# Altium PCB Battery_Converter.PcbDoc (part 1 of 2)
Units mm, origin at the board's own origin, x right, y up, seen from the top; angles counter-clockwise.
Board outline 240.65 x 121.03 mm, 2 copper layers (Power Layer, Signal Layer), stack 0.532 mm thick; 177 components, 92 nets, 492 pads, 60 vias.
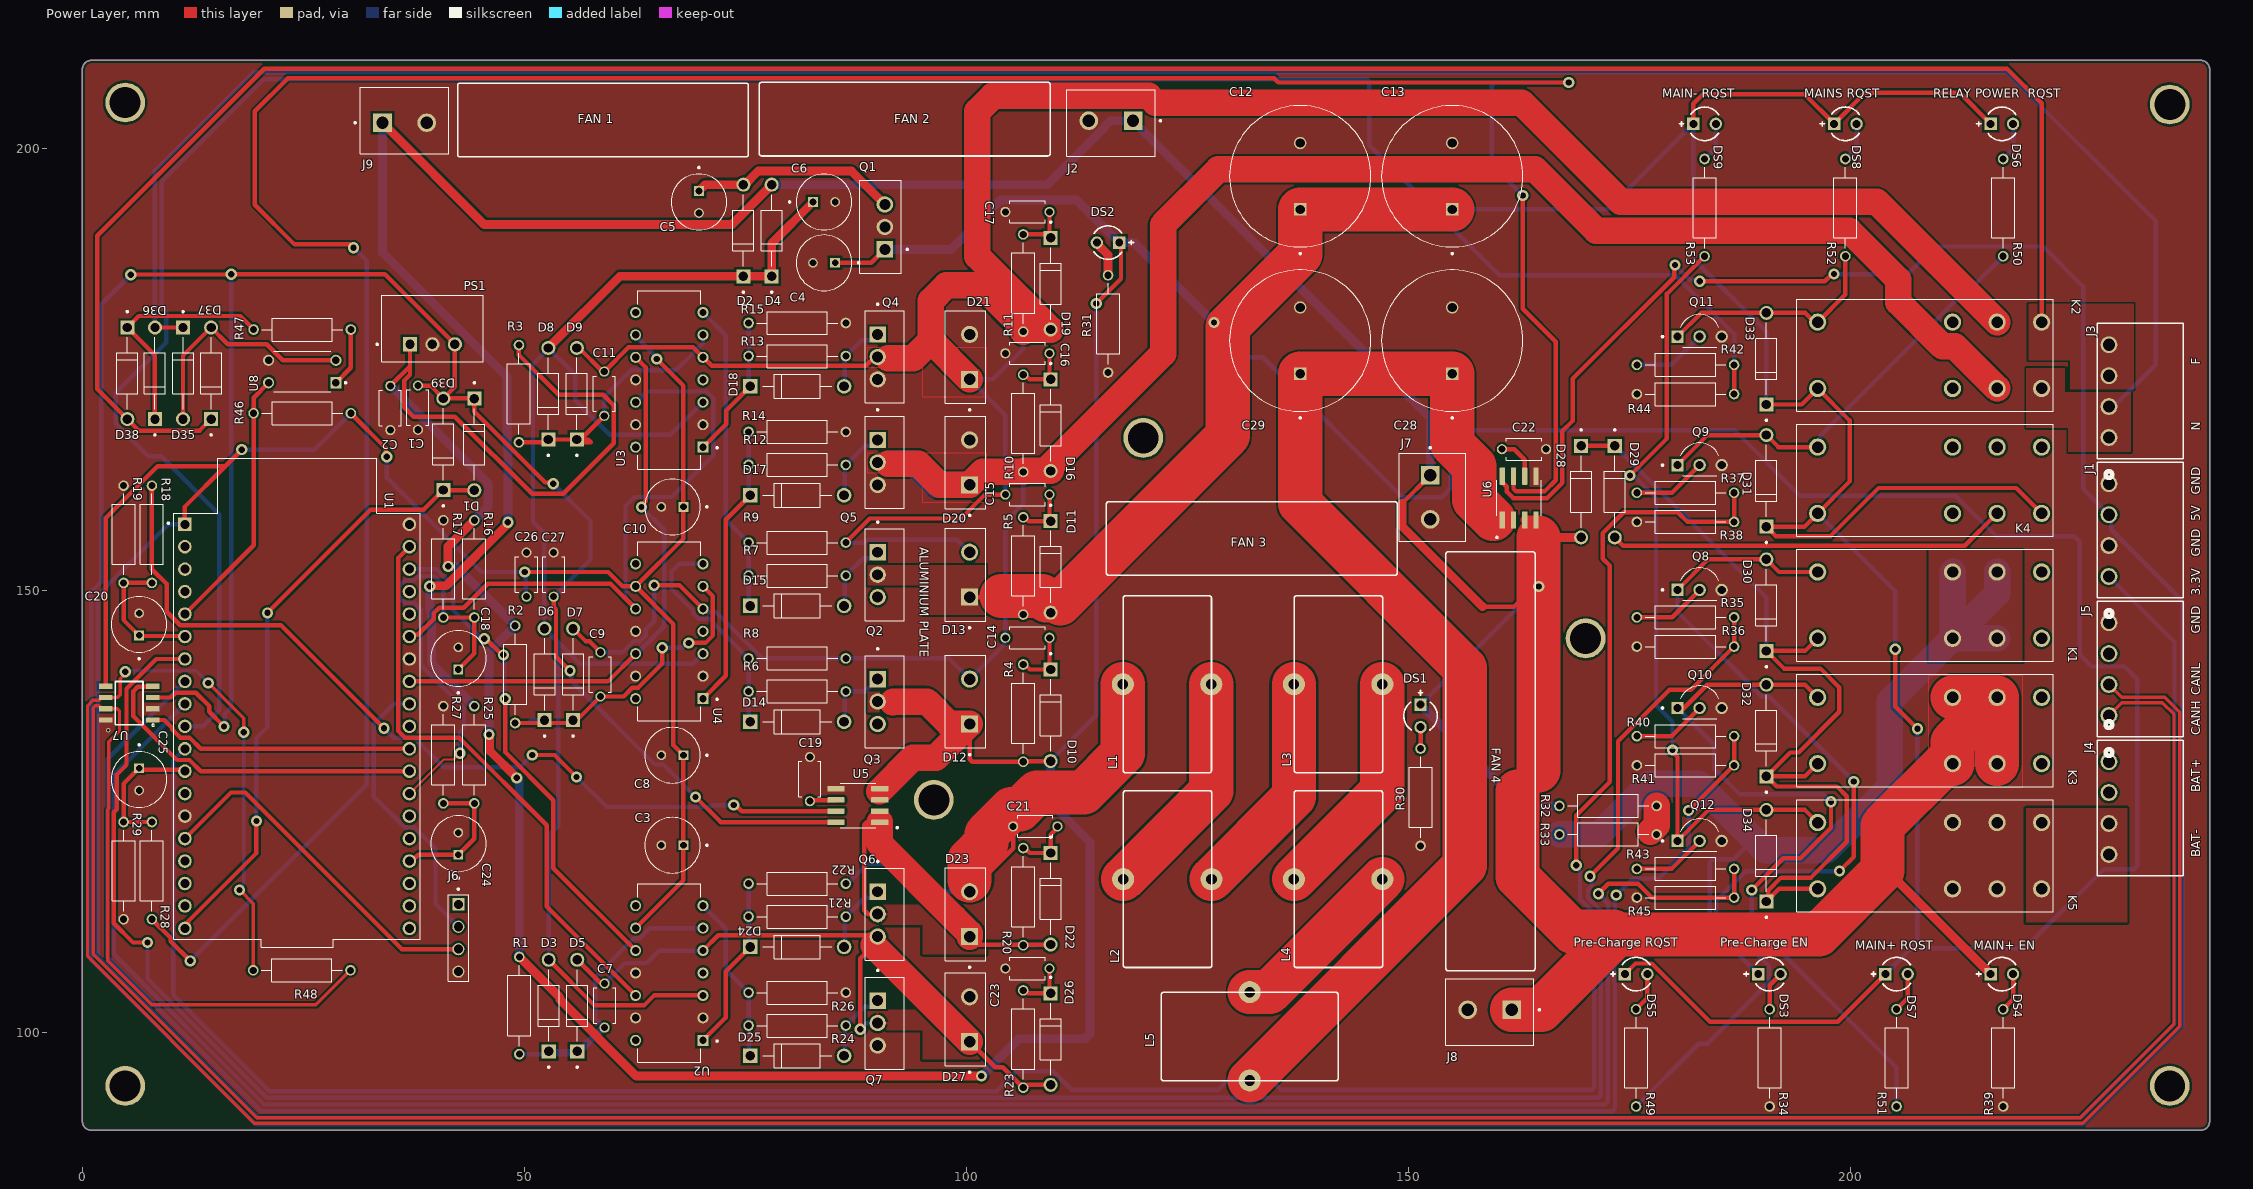
[diagram p0: Power Layer view]
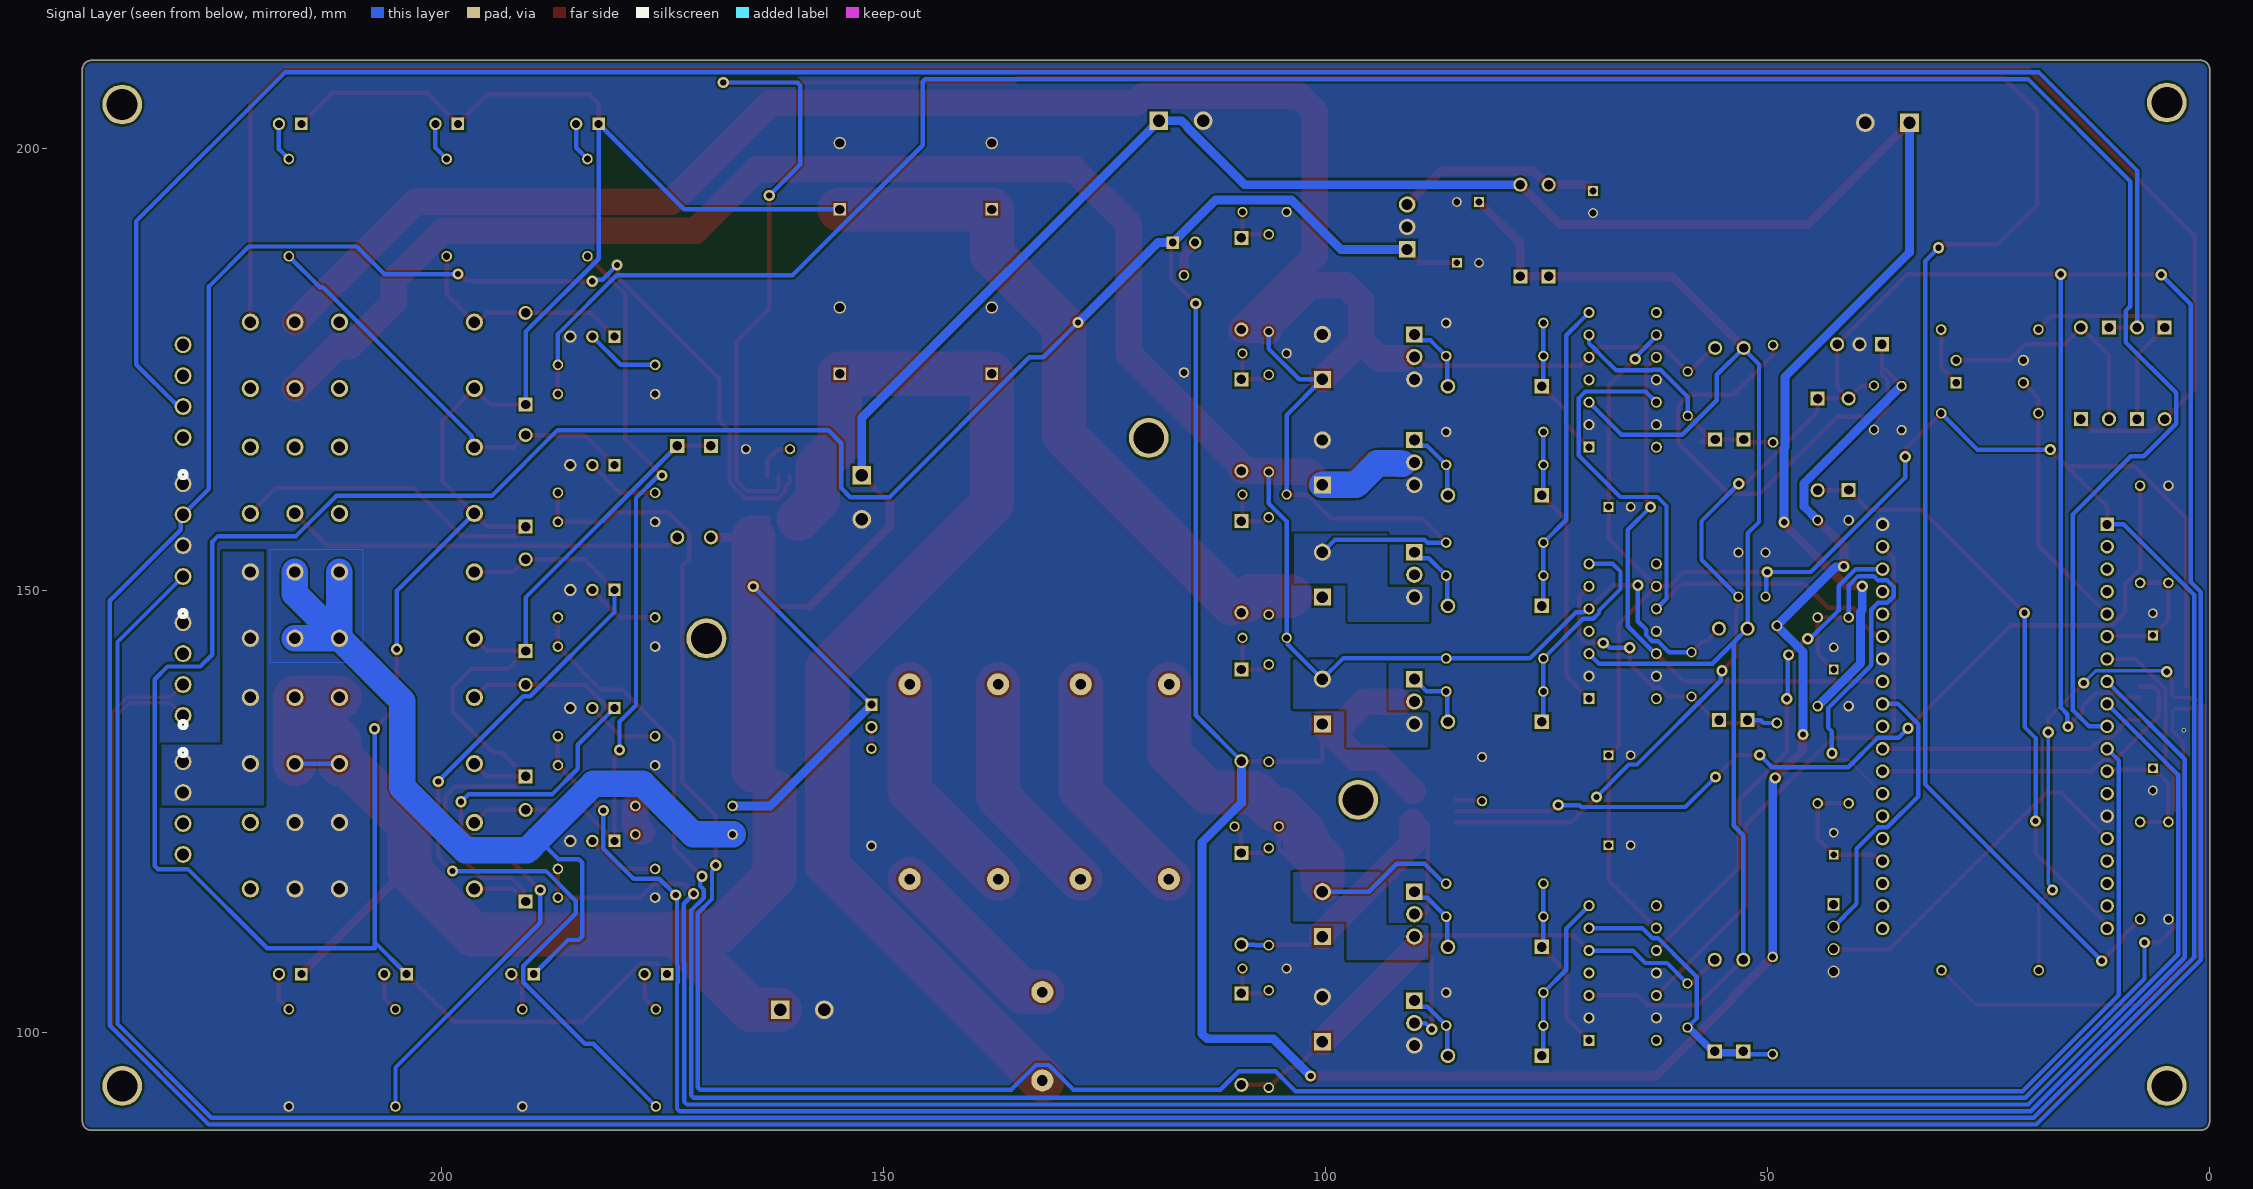
[diagram p1: Signal Layer view, seen from below]
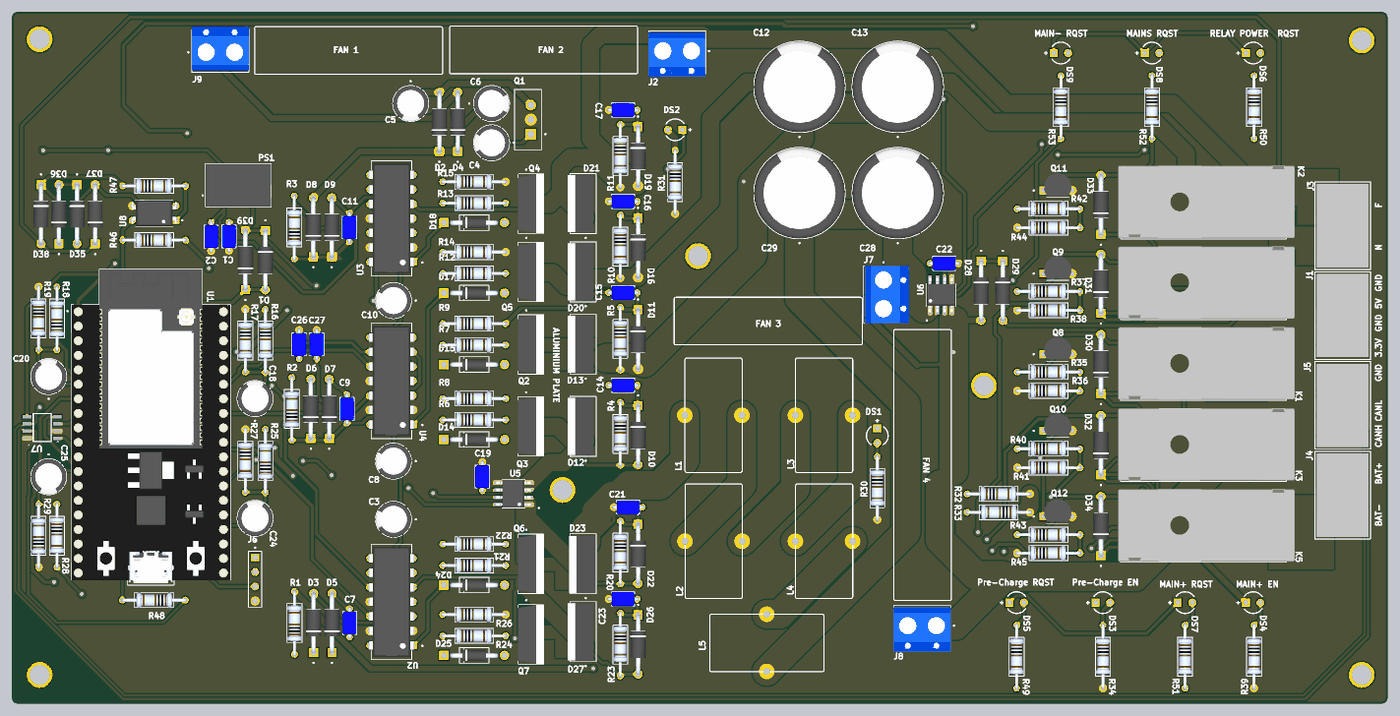
[diagram p3: 3D render of the assembled board from above, using the file's embedded part models]

## Layer stack, top to bottom
Top Solder: solder mask 0.0102, Solder Resist, Dk 3.5
Power Layer: signal copper 0.035
Dielectric 2: prepreg 0.0711, PP-006, Dk 4.1
Dielectric 1: dielectric 0.32, FR-4, Dk 4.8
Dielectric 3: prepreg 0.0711, PP-006, Dk 4.1
Signal Layer: signal copper 0.035
Bottom Solder: solder mask 0.0102, Solder Resist, Dk 3.5

## Board outline
0,89.891 0,208.922 cw(c1,208.922) 1,209.922 239.649,209.922 cw(c239.649,208.922) 240.649,208.922 240.649,89.891 cw(c239.649,89.891) 239.649,88.891 1,88.891 cw(c1,89.891)

## Design rules (kind name [scope] priority, off if disabled: settings)
Clearance [All] p1: gap=0.254 ignorepadtopadclearanceinfootprint=FALSE except(0: Arc-Hole Track-Hole SMDPad-Hole THPad-Hole Via-Hole Fill-Hole Poly-Hole Region-Hole Text-Hole)
DiffPairsRouting [All] p1: maxlimit=0.254 minlimit=0.254 mostfreqgap=0.254 toplayer_minwidth=0.381 toplayer_maxwidth=0.381 toplayer_prefwidth=0.381 bottomlayer_minwidth=0.381 bottomlayer_maxwidth=0.381 bottomlayer_prefwidth=0.381 maxuncoupledlength=12.7
Height [All] p1: minheight=0 maxheight=100 prefheight=12.7
HoleSize [All] p1: absolutevalues=TRUE maxlimit=6.3 minlimit=0.025 maxpercent=80.000 minpercent=20.000
PolygonConnect DirectPour_Battery [InNetClass('direct connect')] p1: connectstyle=Direct reliefconductorwidth=0.254 reliefentries=4 polygonreliefangle="90 Angle" airgapwidth=0.254
PolygonConnect [All] p2: connectstyle=Relief reliefconductorwidth=0.254 reliefentries=4 polygonreliefangle="90 Angle" airgapwidth=0.254
RoutingVias [All] p1: holewidth=0.711 width=1.27 viastyle="Through Hole" minholewidth=0.711 minwidth=1.27 maxholewidth=0.711 maxwidth=1.27
SolderMaskExpansion [All] p1: expansion=0.102 istentingtop=FALSE
Width [All] p1: maxlimit=5 minlimit=0.254 preferedwidth=0.5 minimp=50.000000 maximp=50.000000 favimp=50.000000
27 further rules are at their usual default settings.

## Classes and differential pairs
net class "direct connect": +12 +24 GND NetC9_1 NetC11_1 NetD35_1 NetD37_1 NetDS3_1 NetJ4_1 NetJ4_3
polygon class DirectConmnect: +12_L01_P003
component class Zero-Cross_Detection: D35 D36 D37 D38 R46 R47 U8
component class "Power Circuit": D28 D29 D30 D31 D32 D33 D34 DS3 DS4 DS5 DS6 DS7 DS8 DS9 K1 K2 K3 K4 K5 Q8 Q9 Q10 Q11 Q12 R32 R33 R34 R35 R36 R37 R38 R39 R40 R41 R42 R43 R44 R45 R49 R50 R51 R52 R53
component class IR2110: C3 C4 C5 C6 C7 C8 C9 C10 C11 D2 D3 D4 D5 D6 D7 D8 D9 Q1 R1 R2 R3 U2 U3 U4
component class ESP32: C1 C2 D1 D39 PS1 U1
component class Connectors: DS1 DS2 J1 J2 J3 J4 J5 J6 J7 J8 J9 R30 R31
component class Communication: C26 C27 IC1 R48 U7
component class Bi_Dir_Circuit: C12 C13 C14 C15 C16 C17 C18 C19 C20 C21 C22 C23 C24 C25 C28 C29 D10 D11 D12 D13 D14 D15 D16 D17 D18 D19 D20 D21 D22 D23 D24 D25 D26 D27 L1 L2 L3 L4 L5 Q2 Q3 Q4 Q5 Q6 Q7 R4 R5 R6 R7 R8 R9 R10 R11 R12 R13 R14 R15 R16 R17 R18 R19 R20 R21 R22 R23 R24 R25 R26 R27 R28 R29 U5 U6
differential pair CAN_1: +CAN_1_P -CAN_1_N

## Components (designator, comment, footprint, x,y, rotation, side; value= is the part's Value field where it differs from the comment)
C1 "Ceramic Capacitor" "Ceramic Capacitor" 37.96,170.637 r90 top
C2 "Ceramic Capacitor" "Ceramic Capacitor" 34.836,170.601 r90 top
C3 "10uF Cap" CAP_10uF 66.746,121.133 r180 top
C4 "10uF Cap" CAP_10uF 83.902,187.02 r180 top
C5 "10uF" CAP_10uF 69.748,193.904 r270 top
C6 "10uF Cap" CAP_10uF 83.902,193.904 r0 top
C7 "0.1uF" "Ceramic Capacitor" 59.08,102.997 r270 top
C8 "10uF Cap" CAP_10uF 66.746,131.318 r180 top
C9 "0.1uF" "Ceramic Capacitor" 58.607,140.462 r270 top
C10 "10uF Cap" CAP_10uF 66.746,159.41 r180 top
C11 "0.1uF" "Ceramic Capacitor" 59.039,172.212 r270 top
C12 "10uF Cap" 2200uF_Cap 137.77,196.815 r90 top
C13 "10uF Cap" 2200uF_Cap 154.965,196.815 r90 top
C14 "Ceramic Capacitor" "Ceramic Capacitor" 106.909,144.602 r0 top
C15 "Ceramic Capacitor" "Ceramic Capacitor" 106.909,160.807 r0 top
C16 "Ceramic Capacitor" "Ceramic Capacitor" 106.909,176.784 r0 top
C17 "Ceramic Capacitor" "Ceramic Capacitor" 106.909,192.786 r0 top
C18 "10uF Cap" CAP_10uF 42.532,142.271 r90 top
C19 "1nF" "Ceramic Capacitor" 82.296,128.615 r270 top
C20 "10uF Cap" CAP_10uF 6.413,146.123 r90 top
C21 "Ceramic Capacitor" "Ceramic Capacitor" 107.798,123.266 r0 top
C22 "1nF" "Ceramic Capacitor" 163.093,165.938 r180 top
C23 "Ceramic Capacitor" "Ceramic Capacitor" 106.909,107.188 r0 top
C24 "10uF Cap" CAP_10uF 42.532,121.31 r90 top
C25 "10uF Cap" CAP_10uF 6.413,128.58 r270 top
C26 "Ceramic Capacitor" "Ceramic Capacitor" 50.241,151.75 r270 top
C27 "Ceramic Capacitor" "Ceramic Capacitor" 53.315,151.75 r270 top
C28 "10uF Cap" 2200uF_Cap 154.965,178.222 r90 top
C29 "10uF Cap" 2200uF_Cap 137.77,178.222 r90 top
D1 "Schottky Diode" "Common Trhough Hole" 44.335,166.472 r270 top
D2 "Schottky Diode" "Common Trhough Hole" 74.778,190.678 r90 top
D3 "Fast-Rect Diode" "Common Trhough Hole" 52.756,102.997 r90 top
D4 "Schottky Diode" "Common Trhough Hole" 77.978,190.678 r90 top
D5 "1N4110" "Common Trhough Hole" 55.982,102.997 r90 top
D6 "Fast-Rect Diode" "Common Trhough Hole" 52.282,140.462 r90 top
D7 "1N4110" "Common Trhough Hole" 55.508,140.462 r90 top
D8 "Fast-Rect Diode" "Common Trhough Hole" 52.714,172.212 r90 top
D9 "1N4110" "Common Trhough Hole" 55.94,172.212 r90 top
D10 "Normal Diode" "Common Trhough Hole" 109.533,135.831 r270 top
D11 "Normal Diode" "Common Trhough Hole" 109.533,152.62 r270 top
D12 "MBR10100" MBR10100 99.919,137.389 r90 top
D13 "MBR10100" MBR10100 99.919,151.74 r90 top
D14 "1N4148" "1N4007 DIODE" 80.864,135.102 r0 top
D15 "1N4148" "1N4007 DIODE" 80.864,148.209 r0 top
D16 "Normal Diode" "Common Trhough Hole" 109.533,168.656 r270 top
D17 "1N4148" "1N4007 DIODE" 80.864,160.731 r0 top
D18 "1N4148" "1N4007 DIODE" 80.864,173.05 r0 top
D19 "Normal Diode" "Common Trhough Hole" 109.533,184.658 r270 top
D20 "MBR10100" MBR10100 99.919,164.44 r90 top
D21 "MBR10100" MBR10100 99.919,176.378 r90 top
D22 "Normal Diode" "Common Trhough Hole" 109.533,115.079 r270 top
D23 "MBR10100" MBR10100 99.919,113.335 r90 top
D24 "1N4148" "1N4007 DIODE" 80.864,109.626 r0 top
D25 "1N4148" "1N4007 DIODE" 80.864,97.307 r0 top
D26 "Normal Diode" "Common Trhough Hole" 109.533,99.204 r270 top
D27 "MBR10100" MBR10100 99.919,101.448 r90 top
D28 "1N4007" "Common Trhough Hole" 169.545,161.138 r270 top
D29 "1N4007" "Common Trhough Hole" 173.355,161.138 r270 top
D30 "Normal Diode" "Common Trhough Hole" 190.511,148.294 r90 top
D31 "Normal Diode" "Common Trhough Hole" 190.511,162.357 r90 top
D32 "Normal Diode" "Common Trhough Hole" 190.511,134.112 r90 top
D33 "Normal Diode" "Common Trhough Hole" 190.511,176.174 r90 top
D34 "Normal Diode" "Common Trhough Hole" 190.511,119.948 r90 top
D35 "Normal Diode" "Common Trhough Hole" 11.383,174.523 r270 top
D36 "Normal Diode" "Common Trhough Hole" 8.208,174.523 r90 top
D37 "Normal Diode" "Common Trhough Hole" 14.558,174.523 r90 top
D38 "Normal Diode" "Common Trhough Hole" 5.084,174.523 r270 top
D39 "Schottky Diode" "Common Trhough Hole" 40.83,166.497 r90 top
DS1 "LTL-1CHE" LED3mm 151.384,135.763 r270 top
DS2 "LTL-1CHE" LED3mm 116.027,189.306 r180 top
DS3 "LTL-1CHE" LED3mm 190.856,106.553 r0 top
DS4 "LTL-1CHE" LED3mm 217.145,106.552 r0 top
DS5 "LTL-1CHE" LED3mm 175.768,106.553 r0 top
DS6 "LTL-1CHE" LED3mm 217.145,202.742 r0 top
DS7 "LTL-1CHE" LED3mm 205.232,106.552 r0 top
DS8 "LTL-1CHE" LED3mm 199.441,202.742 r0 top
DS9 "LTL-1CHE" LED3mm 183.515,202.742 r0 top
J1 "4P - Right 3.5mm Industrial Connector" "4P - Right 3.5mm Industrial Connector" 229.26,151.536 r90 top
J2 "KF301-2P" KF301-2P 116.357,203.098 r180 top
J3 "4P - Right 3.5mm Industrial Connector" "4P - Right 3.5mm Industrial Connector" 229.26,167.259 r90 top
J4 "4P - Right 3.5mm Industrial Connector" "4P - Right 3.5mm Industrial Connector" 229.26,130.591 r270 top
J5 "4P - Right 3.5mm Industrial Connector" "4P - Right 3.5mm Industrial Connector" 229.26,135.814 r90 top
J6 "4-POS 2.54mm Header" "4-POS 2.54mm Header" 42.532,114.452 r270 top
J7 "KF301-2P" KF301-2P 152.476,160.503 r270 top
J8 "KF301-2P" KF301-2P 159.218,102.514 r180 top
J9 "KF301-2P" KF301-2P 36.449,202.87 r0 top
K1 "relay 8pin" "Relay socket 8pin" 208.977,148.294 r0 top
K2 "relay 8pin" "Relay socket 8pin" 208.977,176.555 r0 top
K3 "relay 8pin" "Relay socket 8pin" 208.977,134.112 r0 top
K4 "relay 8pin" "Relay socket 8pin" 208.977,162.424 r0 top
K5 "relay 8pin" "Relay socket 8pin" 208.977,119.948 r0 top
L1 "Coil_62125" "Coil 65125" 117.704,139.344 r0 top
L2 "Coil_62125" "Coil 65125" 117.736,117.297 r0 top
L3 "Coil_62125" "Coil 65125" 137.058,139.344 r0 top
L4 "Coil_62125" "Coil 65125" 137.059,117.297 r0 top
L5 "Coil_62125" "Coil 65125" 132.055,104.521 r270 top
PS1 "R-78K5.0-0.5" CONV_R-78K5.0-0.5 39.603,179.578 r0 top
Q1 "LM7805CT" LM7805CT 90.778,191.084 r90 top
Q2 "IRF530NPBF" IRF530N 90.778,151.74 r270 top
Q3 "IRF530NPBF" IRF530N 90.778,137.389 r270 top
Q4 "IRF530NPBF" IRF530N 90.778,176.378 r270 top
Q5 "IRF530NPBF" IRF530N 90.778,164.44 r270 top
Q6 "IRF530NPBF" IRF530N 90.778,113.335 r270 top
Q7 "IRF530NPBF" IRF530N 90.778,101.016 r270 top
Q8 "BC548" bc548 182.956,150.673 r0 top
Q9 "BC548" bc548 182.956,164.795 r0 top
Q10 "BC548" bc548 182.956,137.312 r0 top
Q11 "BC548" bc548 182.956,179.332 r0 top
Q12 "BC548" bc548 182.956,122.276 r0 top
R1 "Resistor" "Resistor_Through Hole" 49.428,102.997 r90 top
R2 "Resistor" "Resistor_Through Hole" 48.955,140.462 r90 top
R3 "Resistor" "Resistor_Through Hole" 49.387,172.212 r90 top
R4 "Resistor" "Resistor_Through Hole" 106.435,136.081 r270 top
R5 "Resistor" "Resistor_Through Hole" 106.435,152.73 r270 top
R6 "15R" "Resistor_Through Hole" 80.864,138.531 r0 top
R7 "15R" "Resistor_Through Hole" 80.864,151.638 r0 top
R8 "10K" "Resistor_Through Hole" 80.864,142.265 r0 top
R9 "10K" "Resistor_Through Hole" 80.864,155.372 r0 top
R10 "Resistor" "Resistor_Through Hole" 106.435,168.859 r270 top
R11 "Resistor" "Resistor_Through Hole" 106.435,184.734 r270 top
R12 "15R" "Resistor_Through Hole" 80.864,164.16 r0 top
R13 "15R" "Resistor_Through Hole" 80.864,176.479 r0 top
R14 "10K" "Resistor_Through Hole" 80.864,167.894 r0 top
R15 "10K" "Resistor_Through Hole" 80.864,180.213 r0 top
R16 "8.2K" "Resistor_Through Hole" 44.335,152.4 r270 top
R17 "1K" "Resistor_Through Hole" 40.83,152.4 r270 top
R18 "5.1K" "Resistor_Through Hole" 7.861,156.308 r90 top
R19 "10K" "Resistor_Through Hole" 4.66,156.308 r270 top
R20 "Resistor" "Resistor_Through Hole" 106.435,115.316 r270 top
R21 "15R" "Resistor_Through Hole" 80.864,113.055 r0 top
R22 "10K" "Resistor_Through Hole" 80.864,116.789 r0 top
R23 "Resistor" "Resistor_Through Hole" 106.435,99.212 r270 top
R24 "15R" "Resistor_Through Hole" 80.864,100.736 r0 top
R25 "8.2K" "Resistor_Through Hole" 44.335,131.369 r90 top
R26 "10K" "Resistor_Through Hole" 80.864,104.47 r0 top
R27 "1K" "Resistor_Through Hole" 40.83,131.369 r270 top
R28 "5.1K" "Resistor_Through Hole" 7.861,118.262 r270 top
R29 "10K" "Resistor_Through Hole" 4.66,118.262 r90 top
R30 "Resistor_Through Hole" "Resistor_Through Hole" 151.384,126.569 r270 top
R31 "Resistor_Through Hole" "Resistor_Through Hole" 116.027,180.112 r270 top
R32 "Resistor" "Resistor_Through Hole" 172.593,125.578 r0 top
R33 "Resistor" "Resistor_Through Hole" 172.593,122.352 r180 top
R34 "Resistor_Through Hole" "Resistor_Through Hole" 190.881,97.079 r270 top
R35 "Resistor_Through Hole" "Resistor_Through Hole" 181.356,146.914 r0 top
R36 "Resistor_Through Hole" "Resistor_Through Hole" 181.356,143.612 r0 top
R37 "Resistor_Through Hole" "Resistor_Through Hole" 181.356,161.011 r0 top
R38 "Resistor_Through Hole" "Resistor_Through Hole" 181.356,157.709 r0 top
R39 "Resistor_Through Hole" "Resistor_Through Hole" 217.297,97.078 r270 top
R40 "Resistor_Through Hole" "Resistor_Through Hole" 181.356,133.477 r0 top
R41 "Resistor_Through Hole" "Resistor_Through Hole" 181.356,130.175 r0 top
R42 "Resistor_Through Hole" "Resistor_Through Hole" 181.356,175.477 r0 top
R43 "Resistor_Through Hole" "Resistor_Through Hole" 181.356,118.451 r0 top
R44 "Resistor_Through Hole" "Resistor_Through Hole" 181.356,172.175 r0 top
R45 "Resistor_Through Hole" "Resistor_Through Hole" 181.356,115.214 r0 top
R46 "Resistor" "Resistor_Through Hole" 24.87,170.002 r0 top
R47 "Resistor" "Resistor_Through Hole" 24.87,179.476 r0 top
R48 "Resistor" "Resistor_Through Hole" 24.828,106.985 r180 top
R49 "Resistor_Through Hole" "Resistor_Through Hole" 175.768,97.079 r270 top
R50 "Resistor_Through Hole" "Resistor_Through Hole" 217.297,193.268 r270 top
R51 "Resistor_Through Hole" "Resistor_Through Hole" 205.232,97.078 r270 top
R52 "Resistor_Through Hole" "Resistor_Through Hole" 199.441,193.268 r270 top
R53 "Resistor_Through Hole" "Resistor_Through Hole" 183.515,193.268 r270 top
U1 "ESP32-DEVKITC-32U" MODULE_ESP32-DEVKITC-32U 24.295,134.595 r0 top
U2 "IR2110" IR2110 66.396,106.68 r180 top
U3 "IR2110" IR2110 66.396,173.787 r180 top
U4 "IR2110" IR2110 66.396,145.339 r180 top
U5 "ACS712" ACS712 87.732,125.628 r180 top
U6 "ACS712" ACS712 162.535,160.401 r90 top
U7 "MCP2562-E/SN" MCP2562-E/SN 5.295,137.211 r180 top
U8 "PC817" PC817 24.87,174.727 r180 top
? "M3 Mounting Hole" "M3 - Mounting Hole"#1 170.053,144.526 r0 top